# Allegro board FPGA-M1.brd
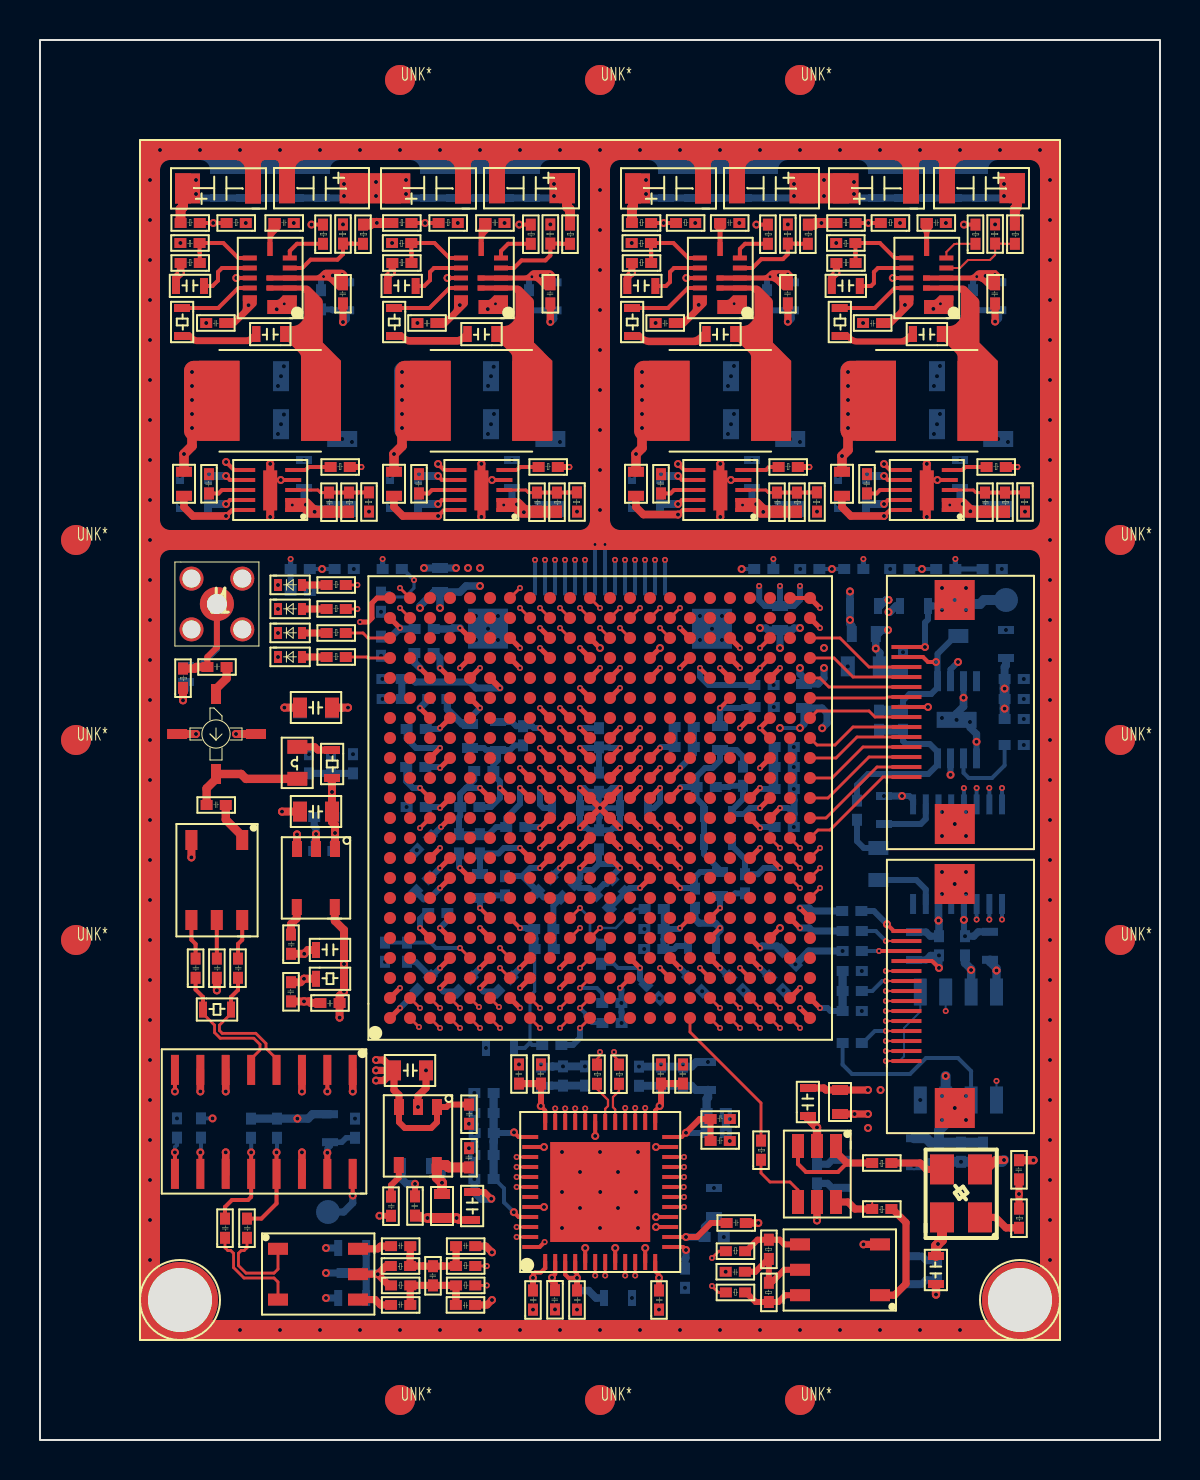
[diagram p0: board, top side]
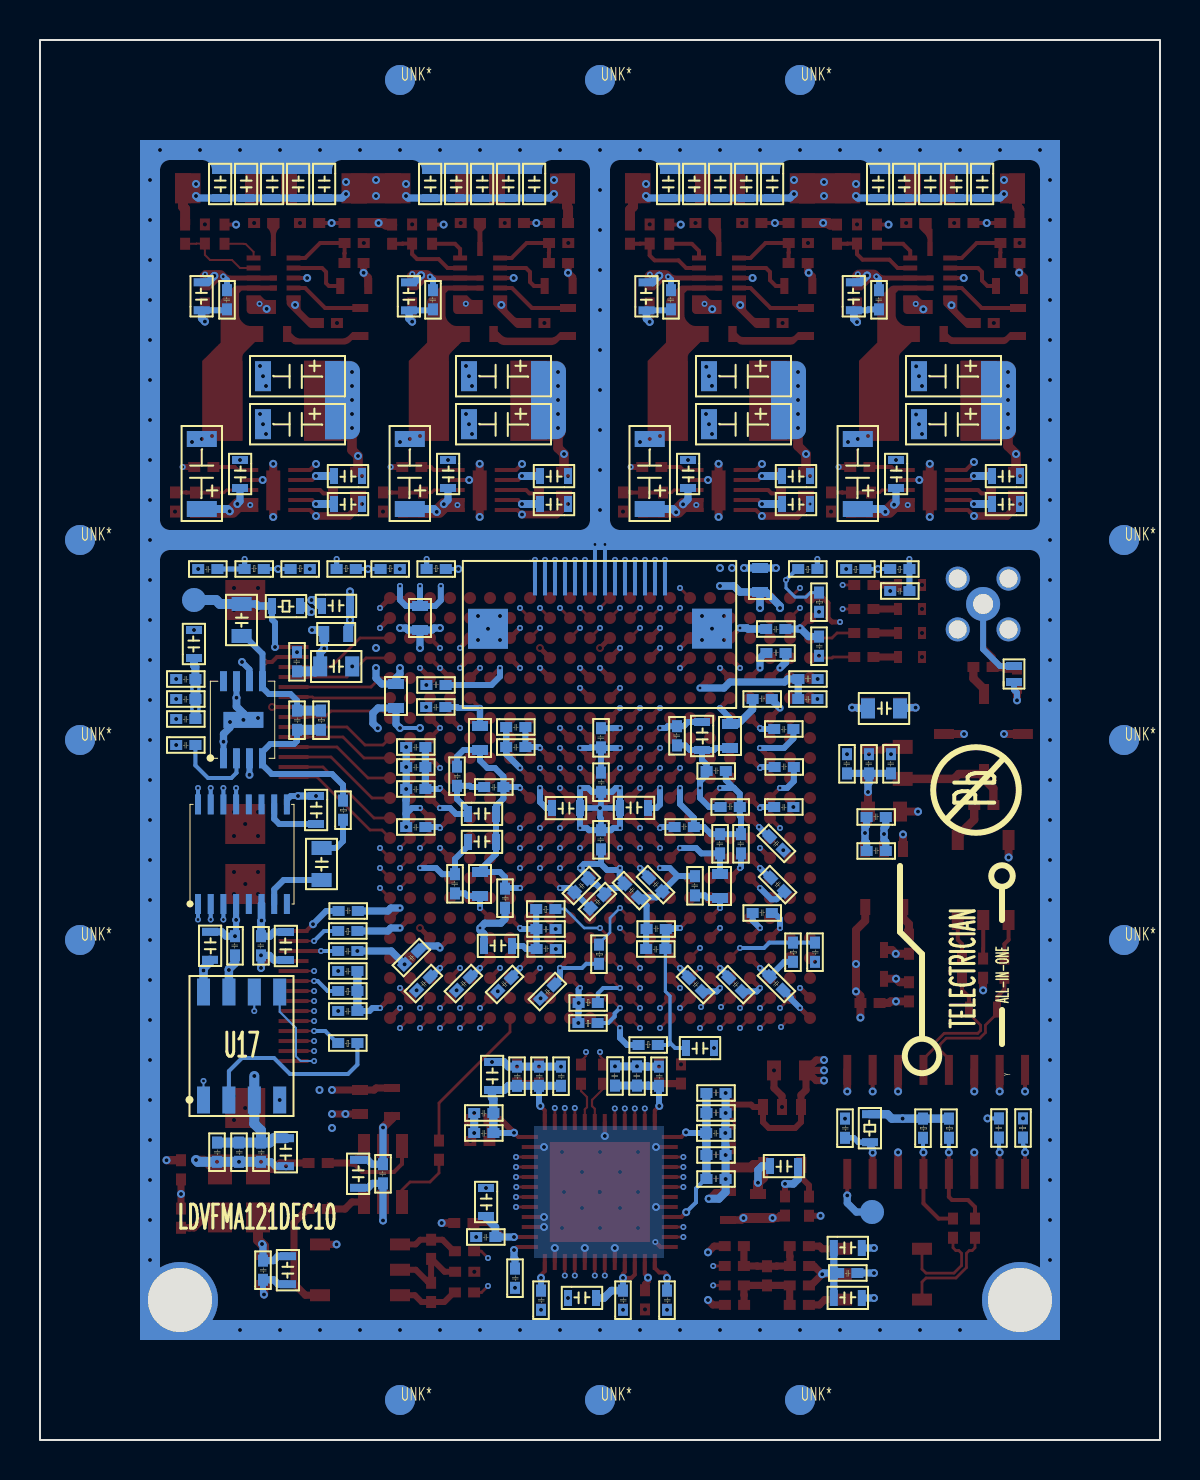
[diagram p1: board, bottom side, seen from below]

Outline 56 x 70 mm; copper layers: TOP, GND-L2, SIGNAL-L3, SIGNAL-L4, GND-L5, PWR-L6, SIGNAL-L7, SIGNAL-L8, GND-L9, BOTTOM. Coordinates in mm from the lower left corner of the outline.
Outline path: rectangle 0,0 56,70

## Design rules (mm)
constraint set DEFAULT: min track width 0.1
net group AD_CLKN: nets AD_CLKN CLKO-
net group AD_CLKP: nets AD_CLKP CLKO+
net group CLK2FPGA: nets CLK2FPGA N7587007
net group DATA0: nets DATA0 N7454523
net group LED1: nets LED1 N7455499
net group LED2: nets LED2 N7455557
net group LED3: nets LED3 N7921484
net group LED4: nets LED4 N9038018
net group N7578107: nets N7578107 N7578654
net group N7586496: nets N7586496 N7586806
net group N7587454: nets N7587454 N7587591
net group N8196950: nets N8196950 N8196956
net group N8197004: nets N8197004 N8197018
net group N8197074: nets N8197074 N8197078
net group N8197176: nets N8197176 N8197194
net group N8197218: nets N8197218 N8197222
net group N8197320: nets N8197320 N8197338
net group N8197362: nets N8197362 N8197366
net group N8197464: nets N8197464 N8197482
net group RSSI: nets N7580738 RSSI
net group TINN: nets N7581083 TINN
net group TINP: nets N7581076 TINP
net group AIN+: nets AIN+ AIN- N7581273 N7581277 N7581373 N7581387 VCOM
net group AUDIO_OUT: nets AUDIO_OUT N7424382 N7424390 N7424654 N7424662
net group ENC+: nets ENC+ ENC- N7587990 N7588005 N7588017
net group MG_I2S: nets AD0 AD1 AD2 AD3 AD4 AD5 AD6 AD7 AD8 AD9 AD10 AD11 AD12 AD13 AD14 AD15
net group N7578935: nets N7578935 N7579108 N7579398
net group NG1: nets A_FMT A_MUTE I2S_SCK
net group NG_BANK: nets FPGA_SPI_MISO FPGA_UART2_RXD FPGA_UART_TXD
net group SOUTN: nets N7579488 N7579492 SOUTN SOUTP

## Placement (name value [footprint] x y rotation side)
A1  -  [ERA-2SM]  8.8 35.3 270 top
C1  22uF/50V  [C1206]  10.5 63.37 180 top
C2  22uF/50V  [C1206]  12.5 61.8 0 top
C3  22uF/50V  [C1206]  21 63.37 180 top
C4  22uF/50V  [C1206]  23 61.8 0 top
C5  22uF/50V  [C1206]  33 63.37 180 top
C6  22uF/50V  [C1206]  35 61.8 0 top
C7  22uF/50V  [C1206]  43.4 63.37 180 top
C8  22uF/50V  [C1206]  45.5 61.8 0 top
C9  15nF  [C0402]  12.7 61.1 180 top
C10  15nF  [C0402]  23.24 61.1 180 top
C11  15nF  [C0402]  34.98 61.1 180 top
C12  15nF  [C0402]  45.3 61.1 180 top
C13  100pF  [C0603]  6.7 57.3 0 top
C14  150pF  [C0603]  17.28 57.3 0 top
C15  100pF  [C0603]  29.27 57.3 0 top
C16  100pF  [C0603]  39.49 57.3 0 top
C17  0.1uF/50V  [C0402]  14.9 57.8 270 top
C18  0.1uF/50V  [C0402]  25.27 57.8 270 top
C19  0.1uF/50V  [C0402]  37.14 57.8 270 top
C20  0.1uF/50V  [C0402]  47.51 57.8 270 top
C21  1uF  [C0402]  8.3 55.6 0 top
C22  1uF  [C0402]  18.86 55.6 0 top
C23  1uF  [C0402]  30.77 55.6 0 top
C24  1uF  [C0402]  41.14 55.6 0 top
C25  0.1uF  [C0603]  12.31 55.7 180 top
C26  0.1uF  [C0603]  22.88 55.7 180 top
C27  0.1uF  [C0603]  34.82 55.7 180 top
C28  0.1uF  [C0603]  45.15 55.7 180 top
C29  0.1uF  [C0402]  8.2 48.3 270 top
C30  0.1uF  [C0402]  18.7 48.3 270 top
C31  0.1uF  [C0402]  30.8 48.3 270 top
C32  0.1uF  [C0402]  41.1 48.3 270 top
C33  10nF  [C0402]  14.7 46.4 90 top
C34  10nF  [C0402]  25.1 46.4 90 top
C35  10nF  [C0402]  37.1 46.4 90 top
C36  10nF  [C0402]  47.5 46.4 90 top
C37  0.1uF  [C0402]  9.34 38.9 180 top
C38  10uF  [C0805]  12.8 36 0 top
C39  0.1uF  [C0402]  9.3 32 180 top
C40  10uF  [C0805]  12.8 30.8 0 top
C41  0.01uF  [C0402]  12.8 24.3 90 top
C42  10uF  [C0603]  13.7 24.1 0 top
C43  0.01uF  [C0402]  8.03 23.1 90 top
C44  0.01uF  [C0402]  9.09 23.1 90 top
C45  0.01uF  [C0402]  10.15 23.1 90 top
C46  0.01uF  [C0402]  12.3 22.9 270 top
C47  0.1uF  [C0402]  14.01 21.6 0 top
C48  10uF  [C0805]  19.5 19.1 180 top
C49  0.1uF  [C0402]  23.7 18.79 270 top
C50  0.1uF  [C0402]  24.8 18.79 270 top
C51  0.1uF  [C0402]  30.8 18.79 270 top
C52  0.1uF  [C0402]  31.9 18.79 270 top
C53  10uF  [C0603]  38.8 16.1 90 top
C54  0.1uF  [C0402]  21.7 15.8 90 top
C55  0.1uF  [C0402]  34.5 16.3 180 top
C56  0.1uF  [C0402]  34.5 15.2 180 top
C57  0.1uF  [C0402]  21.2 14.6 270 top
C58  0.1uF  [C0402]  48.7 14 270 top
C59  0.01uF  [C0402]  17.8 11.2 90 top
C60  0.1uF  [C0402]  18.5 12.19 270 top
C61  10uF  [C0603]  21.2 12.5 270 top
C62  0.1uF  [C0402]  35.3 11.1 180 top
C63  0.01uF  [C0402]  9.5 10.1 90 top
C64  0.01uF  [C0402]  10.6 10.1 90 top
C65  1uF  [C0402]  18.52 9.94 180 top
C66  8.2pF  [C0402]  21.77 9.94 180 top
C67  10uF  [C0603]  45.2 7.7 90 top
C68  0.1uF  [C0402]  34.27 8.16 0 top
C69  8.2pF  [C0402]  19.4 8.7 270 top
C70  0.1uF  [C0402]  24.9 6.51 90 top
C71  2.2uF  [C0402]  25.5 7.5 270 top
C72  0.1uF  [C0402]  27.1 6.51 90 top
C73  0.1uF  [C0402]  31.2 6.51 90 top
C74  1uF  [C0402]  18.52 7 180 top
C75  8.2pF  [C0402]  20.78 6.5 0 top
C76  0.1uF/50V  [C0603]  47.4 63.6 270 bottom
C77  0.1uF/50V  [C0603]  46.1 63.6 270 bottom
C78  0.1uF/50V  [C0603]  44.8 63.6 270 bottom
C79  0.1uF/50V  [C0603]  43.5 63.6 270 bottom
C80  0.1uF/50V  [C0603]  42.2 63.6 270 bottom
C81  0.1uF/50V  [C0603]  36.9 63.6 270 bottom
C82  0.1uF/50V  [C0603]  35.6 63.6 270 bottom
C83  0.1uF/50V  [C0603]  34.3 63.6 270 bottom
C84  0.1uF/50V  [C0603]  33 63.6 270 bottom
C85  0.1uF/50V  [C0603]  31.7 63.6 270 bottom
C86  0.1uF/50V  [C0603]  25 63.6 270 bottom
C87  0.1uF/50V  [C0603]  23.7 63.6 270 bottom
C88  0.1uF/50V  [C0603]  22.4 63.6 270 bottom
C89  0.1uF/50V  [C0603]  21.1 63.6 270 bottom
C90  0.1uF/50V  [C0603]  19.8 63.6 270 bottom
C91  0.1uF/50V  [C0603]  14.5 63.6 270 bottom
C92  0.1uF/50V  [C0603]  13.2 63.6 270 bottom
C93  0.1uF/50V  [C0603]  11.9 63.6 270 bottom
C94  0.1uF/25V  [C0603]  10.6 63.6 270 bottom
C95  0.1uF/25V  [C0603]  9.3 63.6 270 bottom
C96  0.1uF/25V  [C0603]  47.52 56.39 90 bottom
C97  0.1uF/25V  [C0603]  14.91 56.39 90 bottom
C98  0.1uF/25V  [C0603]  37.15 56.38 90 bottom
C99  0.1uF/25V  [C0603]  25.27 56.38 90 bottom
C100  0.1uF  [C0402]  46.9 57.5 270 bottom
C101  0.1uF  [C0402]  36.6 57.5 270 bottom
C102  0.1uF  [C0402]  24.7 57.5 270 bottom
C103  0.1uF  [C0402]  14.3 57.5 270 bottom
C104  22uF  [C1206]  44.7 52.4 180 bottom
C105  22uF  [C1206]  34.4 52.4 180 bottom
C106  22uF  [C1206]  22.4 52.4 180 bottom
C107  22uF  [C1206]  11.9 52.4 180 bottom
C108  22uF  [C1206]  44.7 50 180 bottom
C109  22uF  [C1206]  34.4 50 180 bottom
C110  22uF  [C1206]  22.4 50 180 bottom
C111  22uF  [C1206]  11.9 50 180 bottom
C112  22uF  [C1206]  48.7 49.9 270 bottom
C113  22uF  [C1206]  38.3 49.9 270 bottom
C114  22uF  [C1206]  26.3 49.9 270 bottom
C115  22uF  [C1206]  15.9 49.9 270 bottom
C116  0.1uF  [C0603]  46.4 49.1 270 bottom
C117  0.1uF  [C0603]  36 49.1 270 bottom
C118  0.1uF  [C0603]  24 49.1 270 bottom
C119  0.1uF  [C0603]  13.6 49.1 270 bottom
C120  10uF  [C0603]  39.8 48.6 0 bottom
C121  10uF  [C0603]  29.5 48.6 0 bottom
C122  10uF  [C0603]  17.4 48.6 0 bottom
C123  10uF  [C0603]  6.9 48.6 0 bottom
C124  10uF  [C0603]  39.8 47.2 0 bottom
C125  10uF  [C0603]  29.5 47.2 0 bottom
C126  10uF  [C0603]  17.4 47.2 0 bottom
C127  10uF  [C0603]  6.9 47.2 0 bottom
C128  0.1uF  [C0402]  48.1 43.3 180 bottom
C129  0.1uF  [C0402]  13.5 42.2 180 bottom
C130  10uF  [C0603]  42 41.3 180 bottom
C131  10uF  [C0805]  45.3 40 90 bottom
C132  0.1uF  [C0402]  19.7 40.3 180 bottom
C133  10uF  [C0603]  47.9 39 90 bottom
C134  0.1uF  [C0402]  16.8 39.2 90 bottom
C135  0.1uF  [C0402]  18.71 39.6 0 bottom
C136  0.1uF  [C0402]  43.4 39.4 270 bottom
C137  10uF  [C0805]  40.19 39.3 0 bottom
C138  0.1uF  [C0402]  49.2 37.8 180 bottom
C139  0.1uF  [C0402]  17.11 38.3 0 bottom
C140  0.1uF  [C0402]  35.71 38 0 bottom
C141  0.1uF  [C0402]  49.2 36.8 180 bottom
C142  0.1uF  [C0402]  19.4 37.3 0 bottom
C143  0.1uF  [C0402]  18.1 36.8 180 bottom
C144  0.1uF  [C0402]  36.7 36.4 180 bottom
C145  10uF  [C0805]  12.8 37.2 0 bottom
C146  0.1uF  [C0402]  49.2 35.8 180 bottom
C147  0.1uF  [C0402]  42.9 35.5 90 bottom
C148  0.1uF  [C0402]  32.7 35.4 180 bottom
C149  0.1uF  [C0402]  19.3 35.3 180 bottom
C150  0.1uF  [C0402]  24.4 35.7 270 bottom
C151  10uF  [C0603]  23.3 36 270 bottom
C152  0.1uF  [C0402]  28.2 35.6 270 bottom
C153  0.1uF  [C0402]  49.2 34.5 180 bottom
C154  0.1uF  [C0402]  37.7 34.4 180 bottom
C155  0.1uF  [C0402]  32.7 34.4 180 bottom
C156  0.1uF  [C0402]  15.9 34.3 270 bottom
C157  0.1uF  [C0402]  14.8 34.3 270 bottom
C158  0.1uF  [C0402]  13.7 34.3 270 bottom
C159  0.1uF  [C0402]  37.7 33.4 180 bottom
C160  0.1uF  [C0402]  18.3 33.9 0 bottom
C161  0.1uF  [C0402]  21.7 33.7 0 bottom
C162  0.1uF  [C0402]  34.9 32.7 90 bottom
C163  0.1uF  [C0402]  27.7 32.4 90 bottom
C164  0.1uF  [C0402]  33.8 32.4 180 bottom
C165  0.1uF  [C0402]  37.7 32.3 180 bottom
C166  0.1uF  [C0402]  21 31.9 0 bottom
C167  0.1uF  [C0402]  19.3 31.4 180 bottom
C168  10uF  [C0603]  28.9 32 0 bottom
C169  10uF  [C0603]  27.1 31.2 180 bottom
C170  10uF  [C0603]  42.6 32.3 270 bottom
C171  10uF  [C0603]  34.7 30.9 180 bottom
C172  0.1uF  [C0402]  13.7 31.4 0 bottom
C173  0.1uF  [C0402]  37.7 30.4 180 bottom
C174  0.1uF  [C0402]  23.3 30.9 0 bottom
C175  0.1uF  [C0402]  28.2 30.5 270 bottom
C176  10uF  [C0603]  34.7 29.5 180 bottom
C177  0.1uF  [C0402]  19.7 30 225 bottom
C178  0.1uF  [C0402]  22.25 30.3 270 bottom
C179  0.1uF  [C0402]  21.2 30.3 270 bottom
C180  0.1uF  [C0402]  13.7 29.7 0 bottom
C181  10uF  [C0805]  41.3 27.8 90 bottom
C182  0.1uF  [C0402]  35.5 28.3 270 bottom
C183  0.1uF  [C0402]  24.7 27.6 45 bottom
C184  0.1uF  [C0402]  18.6 27.6 45 bottom
C185  0.1uF  [C0402]  29.1 27.2 135 bottom
C186  0.1uF  [C0402]  23.5 28.2 270 bottom
C187  0.1uF  [C0402]  25.9 27.3 45 bottom
C188  0.1uF  [C0402]  32.5 26.6 90 bottom
C189  0.1uF  [C0402]  28.3 26.4 135 bottom
C190  0.1uF  [C0402]  40.1 26.7 0 bottom
C191  0.1uF  [C0402]  19.4 26.6 0 bottom
C192  0.1uF  [C0402]  31.19 25.3 180 bottom
C193  0.1uF  [C0402]  24.7 25.8 0 bottom
C194  10uF  [C0603]  47.9 25.51 270 bottom
C195  0.1uF  [C0402]  46.5 25.2 270 bottom
C196  0.1uF  [C0402]  45.2 25.2 270 bottom
C197  10uF  [C0603]  43.3 23.9 90 bottom
C198  10uF  [C0603]  33.9 24.3 180 bottom
C199  0.1uF  [C0402]  30.2 24.8 0 bottom
C200  0.1uF  [C0402]  25.7 24.3 180 bottom
C201  0.1uF  [C0402]  41.1 24.2 180 bottom
C202  0.1uF  [C0402]  17 23.9 90 bottom
C203  0.1uF  [C0402]  37.6 23.6 135 bottom
C204  0.1uF  [C0402]  41.1 23.2 180 bottom
C205  0.1uF  [C0402]  37 22.3 135 bottom
C206  0.1uF  [C0402]  35 22.3 135 bottom
C207  0.1uF  [C0402]  19.7 23 225 bottom
C208  0.1uF  [C0402]  32.6 23.3 315 bottom
C209  0.1uF  [C0402]  22.7 22.6 45 bottom
C210  0.1uF  [C0402]  20.7 22.6 45 bottom
C211  0.1uF  [C0402]  30.8 21.9 135 bottom
C212  0.1uF  [C0402]  41.1 21.2 180 bottom
C213  10uF  [C0603]  22.2 20 0 bottom
C214  10uF  [C0603]  33.8 19 270 bottom
C215  0.1uF  [C0402]  31.9 17.7 90 bottom
C216  0.1uF  [C0402]  30.8 17.7 90 bottom
C217  0.1uF  [C0402]  29.7 17.7 90 bottom
C218  0.1uF  [C0402]  27.5 18.69 270 bottom
C219  0.1uF  [C0402]  26.4 18.69 270 bottom
C220  0.1uF  [C0402]  24.8 17.7 90 bottom
C221  0.1uF  [C0402]  21.71 17.6 0 bottom
C222  0.1uF  [C0402]  34.3 16.1 180 bottom
C223  0.1uF  [C0402]  21.71 16.6 0 bottom
C224  0.1uF  [C0402]  15.5 15.1 90 bottom
C225  33pF  [C0402]  8.3 16.09 270 bottom
C226  0.1uF  [C0402]  34.3 15.1 180 bottom
C227  0.1uF  [C0402]  22.7 15.1 180 bottom
C228  0.1uF  [C0402]  46.9 13.9 90 bottom
C229  0.1uF  [C0402]  45.8 13.9 90 bottom
C230  0.1uF  [C0402]  44.7 13.9 90 bottom
C231  10uF  [C0603]  43.3 13.59 90 bottom
C232  0.1uF  [C0402]  21.71 14.5 0 bottom
C233  10uF  [C0603]  18 14.1 0 bottom
C234  1uF  [C0603]  40.5 14.11 270 bottom
C235  0.1uF  [C0402]  39.1 13.8 270 bottom
C236  0.1uF  [C0402]  21.71 13.3 0 bottom
C237  10uF  [C0603]  34.1 12.7 270 bottom
C238  0.1uF  [C0402]  34.2 9.9 180 bottom
C239  10uF  [C0603]  16.41 9.2 180 bottom
C240  0.1uF  [C0402]  44.6 8 90 bottom
C241  1uF  [C0603]  43.2 7.69 90 bottom
C242  2.2uF  [C0402]  16.1 8.1 180 bottom
C243  0.1uF  [C0402]  32 7.6 90 bottom
C244  10uF  [C0603]  29.7 6.7 180 bottom
C245  10uF  [C0603]  16.41 6.7 180 bottom
C246  0.1uF  [C0402]  30.7 6.5 90 bottom
C247  0.1uF  [C0402]  26.6 6.5 90 bottom
C248  0.1uF  [C0402]  24.4 6.5 90 bottom
D1  LED  [LED0402]  12 42.5 0 top
D2  LED  [LED0402]  12 41.3 0 top
D3  LED  [LED0402]  12 40.1 0 top
D4  LED  [LED0402]  12 38.9 0 top
D5  ESD5451X  [DF1006]  7 37.8 90 bottom
J1  SMA-CONNECTOR  [SMA]  8.85 41.8 0 top
J2  FPC-14P-0.5  [FPC-14P-0D5]  46.8 36.4 90 top
J3  FPC-14P-0.5  [FPC-14P-0D5]  46.8 22.2 90 top
J4  FPC-14P-0.5  [FPC-14P-0D5]  28 39.5 180 bottom
L1  4.7uH/2A  [CD54-IND-2P]  14.05 54.5 180 top
L2  4.7uH/2A  [CD54-IND-2P]  24.61 54.5 180 top
L3  2.2uH/2A  [CD54-IND-2P]  36.55 54.5 180 top
L4  2.2uH/2A  [CD54-IND-2P]  46.88 54.5 180 top
L5  BLM18SP102SN1D  [FB0603]  6.8 48.61 270 top
L6  BLM18SP102SN1D  [FB0603]  17.3 48.61 270 top
L7  BLM18SP102SN1D  [FB0603]  29.4 48.61 270 top
L8  BLM18SP102SN1D  [FB0603]  39.7 48.61 270 top
L9  1uH/100mA  [L0805]  13.48 32.86 90 top
L10  BLM18SP102SN1D  [FB0603]  39.6 17.7 270 top
L11  BLM18SP102SN1D  [FB0603]  19.7 12.5 270 top
L12  BLM18SP102SN1D  [FB0603]  20.4 43.8 270 bottom
L13  BLM18SP102SN1D  [FB0603]  37.4 41.9 270 bottom
L14  BLM18SP102SN1D  [FB0603]  40.39 40.7 0 bottom
L15  BLM18SP102SN1D  [FB0603]  37.8 36.4 90 bottom
L16  BLM18SP102SN1D  [FB0603]  21.9 36 270 bottom
L17  BLM18SP102SN1D  [FB0603]  34.4 35.9 270 bottom
L18  BLM18SP102SN1D  [FB0603]  33.6 27 90 bottom
L19  BLM18SP102SN1D  [FB0603]  21.6 26.9 90 bottom
NOREF  -  []  39.6 18.5 0 top
NOREF#2  -  []  36.47 48.26 90 top
NOREF#3  -  []  45.29 62 0 top
NOREF#4  -  []  18.9 16.65 0 top
NOREF#5  -  []  20.63 57.68 90 top
NOREF#6  -  []  29.34 17.35 90 top
NOREF#7  -  []  36.32 32.25 90 top
NOREF#8  -  []  21.26 16.18 0 top
NOREF#9  -  []  5 5 90 top
NOREF#10  -  []  34.7 30.31 0 top
NOREF#11  -  []  18.56 46.87 90 top
NOREF#12  -  []  48.01 60.32 0 top
NOREF#13  -  []  14.84 45.95 90 top
NOREF#14  -  []  27.24 6.06 90 top
NOREF#15  -  []  49.34 10.15 90 top
NOREF#16  -  []  32.36 24.55 90 top
NOREF#17  -  []  36.17 43.02 90 top
NOREF#18  -  []  12.1 14.01 0 top
NOREF#19  -  []  46.02 5.95 90 top
NOREF#20  -  []  46.59 62 90 top
NOREF#21  -  []  48.64 45.95 90 top
NOREF#22  -  []  25.97 58.71 0 top
NOREF#23  -  []  30.32 55.46 0 top
NOREF#24  -  []  33.82 8.02 0 top
NOREF#25  -  []  8.06 46.87 0 top
NOREF#26  -  []  35.64 26.87 90 top
NOREF#27  -  []  16.67 37.44 90 top
NOREF#28  -  []  37.31 8.27 90 top
NOREF#29  -  []  50.15 43.16 90 top
NOREF#30  -  []  20.29 62 90 top
NOREF#31  -  []  14.44 57.67 90 top
NOREF#32  -  []  46.87 49.04 0 top
NOREF#33  -  []  18.69 5.58 0 top
NOREF#34  -  []  28.6 17.39 90 top
NOREF#35  -  []  12 14.01 0 top
NOREF#36  -  []  15.26 32.87 0 top
NOREF#37  -  []  26.86 17.26 0 top
NOREF#38  -  []  33.66 37.36 90 top
NOREF#39  -  []  17.6 25.7 90 top
NOREF#40  -  []  13.06 32.87 0 top
NOREF#41  -  []  29.75 23.38 0 top
NOREF#42  -  []  7.91 39.04 0 top
NOREF#43  -  []  11.09 62 90 top
NOREF#44  -  []  41.63 42.38 90 top
NOREF#45  -  []  21.39 20 90 top
NOREF#46  -  []  21.94 8.52 0 top
NOREF#47  -  []  34.4 51.6 0 top
NOREF#48  -  []  5.98 35.55 90 top
NOREF#49  -  []  38.35 20.75 90 top
NOREF#50  -  []  26.54 18.86 90 top
NOREF#51  -  []  6.09 47 90 top
NOREF#52  -  []  43.3 41.25 0 top
NOREF#53  -  []  20.33 6.36 0 top
NOREF#54  -  []  39.67 25.62 0 top
NOREF#55  -  []  47.09 40.6 0 top
NOREF#56  -  []  21.15 21.25 0 top
NOREF#57  -  []  21.39 21.6 0 top
NOREF#58  -  []  19.66 15.96 90 top
NOREF#59  -  []  29.5 47.79 0 top
NOREF#60  -  []  16.41 7.51 0 top
NOREF#61  -  []  21.5 19.1 90 top
NOREF#62  -  []  19 47.79 90 top
NOREF#63  -  []  13.12 54.1 90 top
NOREF#64  -  []  21 61.77 90 top
NOREF#65  -  []  32.36 24.55 0 top
NOREF#66  -  []  34.79 63.6 90 top
NOREF#67  -  []  34.86 26.87 0 top
NOREF#68  -  []  40.96 46.87 0 top
NOREF#69  -  []  22.01 10.9 90 top
NOREF#70  -  []  18.31 24.22 90 top
NOREF#71  -  []  47.9 50 90 top
NOREF#72  -  []  31.76 17.36 0 top
NOREF#73  -  []  14.91 57.99 0 top
NOREF#74  -  []  42.55 27.8 90 top
NOREF#75  -  []  36.25 9.76 90 top
NOREF#76  -  []  15.48 32.86 90 top
NOREF#77  -  []  26.13 24.38 90 top
NOREF#78  -  []  8.49 62 0 top
NOREF#79  -  []  17.77 54.5 90 top
NOREF#80  -  []  17.5 58.71 90 top
NOREF#81  -  []  16 14.01 0 top
NOREF#82  -  []  14.17 29.02 90 top
NOREF#83  -  []  35 60.2 90 top
NOREF#84  -  []  16.25 33.26 90 top
NOREF#85  -  []  15.06 47.83 0 top
NOREF#86  -  []  31 48.61 90 top
NOREF#87  -  []  37.99 17.7 0 top
NOREF#88  -  []  23.19 47.5 0 top
NOREF#89  -  []  47.09 39 90 top
NOREF#90  -  []  13.7 63.37 90 top
NOREF#91  -  []  45.66 11.85 90 top
NOREF#92  -  []  18.01 9.2 90 top
NOREF#93  -  []  31.27 36.04 90 top
NOREF#94  -  []  22.4 25.3 90 top
NOREF#95  -  []  41.15 11.16 0 top
NOREF#96  -  []  25.45 28.41 0 top
NOREF#97  -  []  10.47 59.68 0 top
NOREF#98  -  []  18.99 62 90 top
NOREF#99  -  []  26.09 56.38 90 top
NOREF#100  -  []  39.59 55.1 0 top
NOREF#101  -  []  24.01 58.71 0 top
NOREF#102  -  []  16.06 45.96 90 top
NOREF#103  -  []  34.79 65.2 0 top
NOREF#104  -  []  24.26 4.45 90 top
NOREF#105  -  []  34.47 14.96 0 top
NOREF#106  -  []  23 60.2 90 top
NOREF#107  -  []  34.61 18.48 0 top
NOREF#108  -  []  20.25 23.71 0 top
NOREF#109  -  []  39.67 19.46 0 top
NOREF#110  -  []  9.18 8.05 0 top
NOREF#111  -  []  38 8.51 90 top
NOREF#112  -  []  16.06 45.96 0 top
NOREF#113  -  []  36.7 46.7 90 top
NOREF#114  -  []  20.15 21.89 0 top
NOREF#115  -  []  33.07 14.56 90 top
NOREF#116  -  []  18.6 22.81 0 top
NOREF#117  -  []  43.99 63.6 90 top
NOREF#118  -  []  22.89 65.2 0 top
NOREF#119  -  []  25.27 57.98 0 top
NOREF#120  -  []  25.36 6.07 0 top
NOREF#121  -  []  22.23 14 90 top
NOREF#122  -  []  33.6 25.4 0 top
NOREF#123  -  []  44.56 11.85 0 top
NOREF#124  -  []  12.79 47.5 0 top
NOREF#125  -  []  15.8 34.6 90 top
NOREF#126  -  []  15.35 32.9 0 top
NOREF#127  -  []  7.91 38.26 90 top
NOREF#128  -  []  24.84 57.67 90 top
NOREF#129  -  []  20.1 15.69 0 top
NOREF#130  -  []  35.7 8.02 90 top
NOREF#131  -  []  24.25 24.38 0 top
NOREF#132  -  []  49.88 60.32 90 top
NOREF#133  -  []  17.35 37.98 90 top
NOREF#134  -  []  42.57 55.46 90 top
NOREF#135  -  []  50.29 33.4 90 top
NOREF#136  -  []  10.5 64.97 0 top
NOREF#137  -  []  7.85 55.46 0 top
NOREF#138  -  []  33.01 36.78 0 top
NOREF#139  -  []  33.79 34.9 90 top
NOREF#140  -  []  45.71 6.6 90 top
NOREF#141  -  []  20.61 31.32 90 top
NOREF#142  -  []  28.54 28.66 0 top
NOREF#143  -  []  23.76 37.75 0 top
NOREF#144  -  []  37 56.37 90 top
NOREF#145  -  []  0 70 0 top
NOREF#146  -  []  16.51 20.1 0 top
NOREF#147  -  []  47.37 56.37 0 top
NOREF#148  -  []  9.65 21.12 90 top
NOREF#149  -  []  26.24 45.95 90 top
NOREF#150  -  []  48.7 46.7 90 top
NOREF#151  -  []  29.8 61.77 0 top
NOREF#152  -  []  25.82 31.59 0 top
NOREF#153  -  []  37.59 25.62 0 top
NOREF#154  -  []  23.55 16.8 90 top
NOREF#155  -  []  45.86 23.77 0 top
NOREF#156  -  []  30.74 59.68 0 top
NOREF#157  -  []  25.6 52.4 90 top
NOREF#158  -  []  11.55 30.8 90 top
NOREF#159  -  []  8.86 11.53 90 top
NOREF#160  -  []  41.4 47.79 90 top
NOREF#161  -  []  40.63 20.1 0 top
NOREF#162  -  []  29.77 27.72 0 top
NOREF#163  -  []  8.31 22.01 0 top
NOREF#164  -  []  49.51 33.4 0 top
NOREF#165  -  []  19.7 23.16 90 top
NOREF#166  -  []  16.86 21.85 0 top
NOREF#167  -  []  46.08 44.35 0 top
NOREF#168  -  []  34.7 31.71 0 top
NOREF#169  -  []  12.5 60.2 90 top
NOREF#170  -  []  37.02 22.08 0 top
NOREF#171  -  []  7.6 37.8 90 top
NOREF#172  -  []  43.3 22.3 0 top
NOREF#173  -  []  31.76 15.65 90 top
NOREF#174  -  []  32.62 57.68 90 top
NOREF#175  -  []  16.66 36.88 0 top
NOREF#176  -  []  17.63 42.2 0 top
NOREF#177  -  []  21.75 40.94 90 top
NOREF#178  -  []  29.42 25.98 0 top
NOREF#179  -  []  33.29 14.3 0 top
NOREF#180  -  []  30.74 57.68 0 top
NOREF#181  -  []  43.03 11.16 90 top
NOREF#182  -  []  41.9 10.41 0 top
NOREF#183  -  []  47.37 56.37 90 top
NOREF#184  -  []  6.7 58.11 0 top
NOREF#185  -  []  13.72 23.07 90 top
NOREF#186  -  []  27.64 17.26 90 top
NOREF#187  -  []  46.59 62 0 top
NOREF#188  -  []  35.39 44.9 0 top
NOREF#189  -  []  13.98 14.01 90 top
NOREF#190  -  []  25.77 60.32 0 top
NOREF#191  -  []  31.76 15.65 0 top
NOREF#192  -  []  24.7 46.7 90 top
NOREF#193  -  []  23.7 18.17 0 top
NOREF#194  -  []  36.3 29.5 90 top
NOREF#195  -  []  43.15 25.06 90 top
NOREF#196  -  []  22.23 14 0 top
NOREF#197  -  []  13.84 32.87 90 top
NOREF#198  -  []  21.59 62 90 top
NOREF#199  -  []  14.56 29.9 90 top
NOREF#200  -  []  40.19 38.05 90 top
NOREF#201  -  []  7.25 22.01 0 top
NOREF#202  -  []  27.01 19.72 90 top
NOREF#203  -  []  17.77 54.5 0 top
NOREF#204  -  []  24.65 18.58 0 top
NOREF#205  -  []  22.4 51.6 0 top
NOREF#206  -  []  17.14 59.46 0 top
NOREF#207  -  []  10.05 57.68 90 top
NOREF#208  -  []  15.13 28.28 90 top
NOREF#209  -  []  23.15 26.25 0 top
NOREF#210  -  []  12.42 33.83 0 top
NOREF#211  -  []  44.7 54 0 top
NOREF#212  -  []  28.6 18.17 0 top
NOREF#213  -  []  8.05 21.93 0 top
NOREF#214  -  []  47.77 35.66 90 top
NOREF#215  -  []  45.24 5.95 0 top
NOREF#216  -  []  14.76 56.37 0 top
NOREF#217  -  []  41.8 34.41 0 top
NOREF#218  -  []  15.4 60.32 0 top
NOREF#219  -  []  31.86 5.55 90 top
NOREF#220  -  []  14.1 15.6 0 top
NOREF#221  -  []  27.66 22.02 0 top
NOREF#222  -  []  40.69 55.46 0 top
NOREF#223  -  []  8.5 46.39 90 top
NOREF#224  -  []  28.09 32 90 top
NOREF#225  -  []  29.7 18.17 0 top
NOREF#226  -  []  30.66 17.36 90 top
NOREF#227  -  []  20.88 11.72 90 top
NOREF#228  -  []  11.9 9.56 0 top
NOREF#229  -  []  43.87 61.24 0 top
NOREF#230  -  []  25.24 45.95 90 top
NOREF#231  -  []  39.49 58.11 0 top
NOREF#232  -  []  32.15 20.35 90 top
NOREF#233  -  []  47.77 35.66 0 top
NOREF#234  -  []  36.35 14.96 90 top
NOREF#235  -  []  27.01 19.72 0 top
NOREF#236  -  []  47.09 23.91 90 top
NOREF#237  -  []  7 38.8 0 top
NOREF#238  -  []  36.09 65.2 0 top
NOREF#239  -  []  21.81 60.46 90 top
NOREF#240  -  []  27.65 60.32 90 top
NOREF#241  -  []  20.57 8.52 90 top
NOREF#242  -  []  17.63 42.2 90 top
NOREF#243  -  []  8.2 15.62 90 top
NOREF#244  -  []  40.6 34.41 0 top
NOREF#245  -  []  24.26 4.45 0 top
NOREF#246  -  []  21.4 15.6 0 top
NOREF#247  -  []  19.7 10.9 0 top
NOREF#248  -  []  16.59 45.6 90 top
NOREF#249  -  []  20.29 62 0 top
NOREF#250  -  []  39.7 49.41 0 top
NOREF#251  -  []  23.48 4.46 90 top
NOREF#252  -  []  20.61 31.32 0 top
NOREF#253  -  []  23.56 17.36 90 top
NOREF#254  -  []  40.6 34.41 90 top
NOREF#255  -  []  20.5 10.9 90 top
NOREF#256  -  []  37.23 29.3 0 top
NOREF#257  -  []  11.09 62 0 top
NOREF#258  -  []  13.7 23.47 0 top
NOREF#259  -  []  34.4 54 0 top
NOREF#260  -  []  13.01 62.2 0 top
NOREF#261  -  []  23.82 6.56 90 top
NOREF#262  -  []  15.5 58.71 90 top
NOREF#263  -  []  50.09 58.71 90 top
NOREF#264  -  []  37.6 52.4 90 top